# Allegro board S071AA-0413-20260427_Power3.brd (continued)
## Routing (per net, layer and track width the routed paths; a pad name or vN(x,y) marks a point on that pad's centre or on a via; arc(x,y) is an arc through that point) (continued)
GNDA_REG: length 18.7
  L11_DPS w0.076: v2(148.32,214.23) 147.87,214.68 147.87,222.61
  L11_DPS w0.203: 147.87,222.61 147.87,222.94 146.01,224.79 v1(146.01,230.92)
  BOTTOM w0.152: SH12.1 v1(146.01,230.92)
  vias: v1(92.98,288.29) v1(92.98,283.21) v1(93.76,279.15) v1(101.34,279.15) v1(102.12,288.29) v1(102.12,283.21) v1(106.38,285.83) v1(106.38,283.04) v1(112.45,271.67) v1(112.45,268.87) v1(122.94,258.74) v1(122.94,255.95) v1(136.51,248.16) v1(136.51,245.36) v1(177.02,218.6)
D231_MCB1_CT2: length 82.1
  L03_DIG w0.132: v2(29.05,298.96) 13.04,314.98 13.04,370.91 D231.17
D431_MCB1_A+: length 354.8
  L24_DIG w0.132: K7.5 50.8,210.8 50.8,206.27 K8.5 50.84,203.22 50.84,198.6 K9.5 50.83,195.59 50.83,191 ; 97.96,191.11 97.32,191.75 78.23,191.75 K2.5 74.57,190.88 ; 97.96,191.11 97.96,195.48 K11.5 97.91,198.78 97.91,203.05 K13.5 97.96,206.35 97.96,210.72 K15.5 ; 97.96,191.11 K1.5 ; 50.83,191 49.69,192.14 31.37,192.14 K16.5 27.21,190.99 27.21,195.6 K6.5 27.03,198.79 27.03,203.04 K5.5 27.08,206.36 27.08,210.71 K4.5 26.29,214.77 26.29,220.54 24.32,222.51 24.32,246.35 12.83,257.85 12.83,375.78 D431.16 ; 50.83,191 K3.5 54.6,191.75 73.7,191.75 74.57,190.88 ; 74.57,190.88 74.57,195.71 K10.5 74.31,198.75 74.31,203.08 K12.5 74.52,206.17 74.52,210.9 K14.5
D431_MCB1_A-: length 328.2
  L24_DIG w0.132: K30.5 50.57,241.06 50.57,236.97 K26.5 50.77,233.64 50.77,229.15 K22.5 50.62,225.87 50.62,221.68 ; 74.46,221.46 74.46,226.09 K23.5 74.41,229.13 74.41,233.66 K27.5 74.41,236.75 74.41,241.28 K31.5 ; 74.46,221.46 74.21,221.71 54.09,221.71 K18.5 50.62,221.68 ; 74.46,221.46 K19.5 77.84,221.84 97.71,221.84 98.16,221.39 ; D431.15 19.3,382.25 19.3,376.96 16.82,374.48 14.65,374.48 13.39,373.22 13.39,258.16 K29.5 27.06,241.16 27.06,236.86 K25.5 27.08,233.57 27.08,229.22 K21.5 26.88,225.75 26.88,221.8 K17.5 30.92,222.17 30.92,222.31 31.05,222.44 49.86,222.44 50.62,221.68 ; 98.16,221.39 K20.5 ; 98.16,221.39 98.16,226.16 K24.5 98,229.16 98,233.63 K28.5 98,236.78 98,241.25 K32.5
D431_MCB1_C+: length 380.2
  L24_DIG w0.132: K36.5 134.04,136.56 115.17,136.56 K35.5 110.07,141.66 110.07,158.83 K33.5 ; K33.5 114.84,160 118.87,160 K37.5 122.61,159.85 133.96,159.85 K34.5 137.88,159.82 141.55,159.82 K38.5 ; K33.5 110.64,164.2 110.64,254.21 107.34,257.52 66.12,257.52 61.47,262.17 61.47,375.78 57.53,379.72 29.49,379.72 D431.12
D431_MCB1_C-: length 387.1
  L24_DIG w0.132: 149.9,139.67 149.26,140.32 149.26,159.91 K42.5 149.86,163.08 129.57,163.08 K41.5 123.59,166.49 113.46,166.49 111.8,168.16 111.8,255.28 107.89,259.19 68.09,259.19 63.39,263.89 63.39,376.36 57.38,382.37 31.92,382.37 D431.11 ; 149.9,139.67 144.77,139.67 K40.5 142.21,139.75 134.6,139.75 134.41,139.94 129.54,139.94 K43.5 127.05,139.92 121.9,139.92 K39.5 ; 149.9,139.67 K44.5
D431_MCB1_CT1: length 94
  L03_DIG w0.132: D431.17 12.08,380.11 12.08,314.91 v2(29.05,297.94)
D11616: length 208.2
  L03_DIG w0.132: D116.16 160.24,386.03 160.24,328.78 130.42,298.96 v2(29.9,298.96)
  BOTTOM w0.152: TR2.2 v2(29.9,298.96)
GPDPS1_1F: length 9.8
  L16_DPS w0.203: 240.76,16.51 DPS1.B03 ; DPS1.B03 241.57,15.7 ; DPS1.B03 241.57,17.32 ; DPS1.B03 242.38,16.51 ; DPS1.A03 242.38,13.97 ; DPS1.A03 240.76,13.97 ; DPS1.A03 241.57,13.16 ; DPS1.A03 241.57,14.78 ; 240.76,19.05 DPS1.C03 ; DPS1.C03 241.57,18.24 ; DPS1.C03 242.38,19.05 ; DPS1.C03 241.57,19.86
  vias: v1(205.76,294.62)
GPDPS1_1GS: length 464.1
  L16_DPS w0.203: v1(194.58,294.32) 195.74,293.16 208.28,293.16 210.57,290.88 210.57,221.48 200.95,211.86 196.23,211.86 195.11,212.98 187.82,212.98 186.7,211.86 166.3,211.86 164.02,209.58 160.74,209.58 155.85,204.69 155.85,184.25 227.3,112.8 227.3,77.97 236.6,68.68 269.84,68.68 273.63,64.9 273.63,11.23 272.05,9.65 250.9,9.65 248.15,12.41 248.15,20.43 247.22,21.35 239.43,21.35 237.78,19.7 237.78,15.22 DPS1.A02
GPDPS1_1S: length 458.1
  L16_DPS w0.203: v1(197.12,294.32) 197.73,293.71 208.83,293.71 211.32,291.23 211.32,221.3 201.28,211.26 195.92,211.26 194.82,212.36 188.01,212.36 186.91,211.26 166.79,211.26 164.43,208.9 162.26,208.9 156.35,202.99 156.35,185.95 228.55,113.75 228.55,78.18 237.13,69.6 272.21,69.6 276.02,65.79 276.02,12.44 272.62,9.05 250.28,9.05 247.72,11.61 247.72,19.86 247.06,20.52 240.5,20.52 DPS1.C02
GPDPS1_2F: length 9.8
  L16_DPS w0.203: 251.73,15.7 DPS1.B07 ; DPS1.B07 252.54,16.51 ; DPS1.B07 250.92,16.51 ; DPS1.B07 251.73,17.32 ; DPS1.A07 252.54,13.97 ; DPS1.A07 251.73,14.78 ; DPS1.A07 250.92,13.97 ; DPS1.A07 251.73,13.16 ; 250.92,19.05 DPS1.C07 ; DPS1.C07 251.73,18.24 ; DPS1.C07 251.73,19.86 ; DPS1.C07 252.54,19.05
  vias: v1(172.23,294.62)
GPDPS1_2GS: length 689.7
  L16_DPS w0.203: v1(164.1,294.32) 164.1,298.04 161.72,300.42 38.56,300.42 33.37,295.23 33.37,288.34 11.16,266.13 11.16,180.6 11.83,179.93 11.83,38.77 13.78,36.82 257.51,36.82 258.13,36.2 258.13,34.15 260.78,31.49 260.78,12.65 259.26,11.13 250.76,11.13 249.19,12.7 DPS1.A06
GPDPS1_2S: length 695.9
  L16_DPS w0.203: v1(166.64,294.32) 166.64,296.81 162.46,300.99 38.22,300.99 32.73,295.51 32.73,290.19 10.35,267.81 10.35,38.08 14.23,34.2 257.2,34.2 260.36,31.04 260.36,13.06 259.03,11.73 251.15,11.73 250.41,12.47 250.41,17.83 DPS1.C06
GPDPS1_3F: length 9.8
  L16_DPS w0.203: DPS1.B13 266.97,17.32 ; DPS1.B13 266.97,15.7 ; DPS1.B13 266.16,16.51 ; DPS1.B13 267.78,16.51 ; 266.16,13.97 DPS1.A13 ; DPS1.A13 266.97,13.16 ; DPS1.A13 266.97,14.78 ; DPS1.A13 267.78,13.97 ; DPS1.C13 266.97,19.86 ; DPS1.C13 266.97,18.24 ; DPS1.C13 267.78,19.05 ; DPS1.C13 266.16,19.05
  vias: v1(48.28,294.62)
GPDPS1_3GS: length 535.8
  L16_DPS w0.203: v1(37.1,294.32) 38.01,293.41 38.01,290.09 12.45,264.53 12.45,50.04 20.76,41.72 259.88,41.72 260.6,41 260.6,32.5 263.26,29.85 263.26,15.14 DPS1.A12
GPDPS1_3S: length 532.3
  L16_DPS w0.203: DPS1.C12 264.43,30.28 263.14,31.57 263.14,41.15 261.99,42.3 21.25,42.3 13.16,50.38 13.16,262.71 40.82,290.37 40.82,293.13 v1(39.64,294.32)
GPDPS1_4F: length 9.8
  L11_DPS w0.203: DPS1.C17 277.13,19.86 ; DPS1.C17 276.32,19.05 ; DPS1.C17 277.13,18.24 ; DPS1.C17 277.94,19.05 ; 277.13,13.16 DPS1.A17 ; DPS1.A17 276.32,13.97 ; DPS1.A17 277.94,13.97 ; DPS1.A17 277.13,14.78 ; DPS1.B17 277.13,17.32 ; DPS1.B17 277.13,15.7 ; DPS1.B17 277.94,16.51 ; DPS1.B17 276.32,16.51
  vias: v1(149.88,294.62)
GPDPS1_4GS: length 413.6
  L11_DPS w0.203: DPS1.A16 273.35,15.21 273.35,19.42 268.27,24.5 268.27,102.75 270.15,104.63 270.15,291.51 268.44,293.22 141.44,293.22 140.34,294.32 v1(138.7,294.32)
GPDPS1_4S: length 405
  L11_DPS w0.203: DPS1.C16 270.76,22.88 270.76,291.91 268.97,293.71 141.85,293.71 v1(141.24,294.32)
GPDPS1_TRVB-: length 5.2
  TOP w0.152: DPS1.B09 258.04,15.28 258.04,13.12 SB1.2
GPDPS2_1F: length 9.8
  L11_DPS w0.203: 197.58,410.21 DPS2.C03 ; DPS2.C03 198.39,411.02 ; DPS2.C03 198.39,409.4 ; DPS2.C03 199.2,410.21 ; 197.58,415.29 DPS2.A03 ; DPS2.A03 199.2,415.29 ; DPS2.A03 198.39,416.1 ; DPS2.A03 198.39,414.48 ; 198.39,411.94 DPS2.B03 ; DPS2.B03 197.58,412.75 ; DPS2.B03 198.39,413.56 ; DPS2.B03 199.2,412.75
  vias: v1(127.02,294.62)
GPDPS2_1GS: length 214.3
  L11_DPS w0.203: DPS2.A02 200.93,416.25 199.3,417.89 193.21,417.89 191.79,416.47 191.79,409.21 187.98,405.4 111.16,405.4 110.58,404.82 110.58,315.46 115.84,310.2 v1(115.84,294.32)
GPDPS2_1S: length 218.6
  L11_DPS w0.203: v1(118.38,294.32) 118.38,308.51 111.01,315.88 111.01,404.23 111.63,404.85 188.36,404.85 192.27,408.76 192.27,416.07 193.49,417.29 199.05,417.29 199.83,416.51 199.83,411.31 DPS2.C02
GPDPS2_2F: length 9.8
  L11_DPS w0.203: DPS2.A07 188.23,416.1 ; DPS2.A07 188.23,414.48 ; DPS2.A07 189.04,415.29 ; DPS2.A07 187.42,415.29 ; DPS2.C07 189.04,410.21 ; DPS2.C07 188.23,409.4 ; DPS2.C07 188.23,411.02 ; DPS2.C07 187.42,410.21 ; DPS2.B07 189.04,412.75 ; DPS2.B07 187.42,412.75 ; DPS2.B07 188.23,413.56 ; DPS2.B07 188.23,411.94
  vias: v1(99.08,294.62)
GPDPS2_2GS: length 229.2
  L11_DPS w0.203: DPS2.A06 190.77,417.4 187.98,420.2 92.67,420.2 87.9,415.42 v1(87.9,294.32)
GPDPS2_2S: length 229.1
  L11_DPS w0.203: DPS2.C06 189.63,411.35 189.63,416.76 187.87,418.52 93.87,418.52 90.44,415.08 v1(90.44,294.32)
GPDPS2_3F: length 9.8
  L16_DPS w0.203: 172.99,409.4 DPS2.C13 ; DPS2.C13 172.18,410.21 ; DPS2.C13 172.99,411.02 ; DPS2.C13 173.8,410.21 ; DPS2.A13 173.8,415.29 ; DPS2.A13 172.18,415.29 ; DPS2.A13 172.99,414.48 ; DPS2.A13 172.99,416.1 ; 172.99,411.94 DPS2.B13 ; DPS2.B13 173.8,412.75 ; DPS2.B13 172.18,412.75 ; DPS2.B13 172.99,413.56
  vias: v1(235.73,294.62)
GPDPS2_3GS: length 184
  L16_DPS w0.203: DPS2.A12 175.53,416.75 173.27,419.01 166.73,419.01 164.1,416.38 164.1,390.58 164.8,389.87 166.09,389.87 168.65,387.32 202.77,387.32 211.64,378.45 211.64,313.76 227.6,297.8 v1(227.6,294.32)
GPDPS2_3S: length 185.9
  L16_DPS w0.203: v1(230.14,294.32) 230.14,296.97 212.59,314.52 212.59,379.24 202.01,389.82 166.96,389.82 166.32,390.46 166.32,416.92 167.49,418.1 173.39,418.1 174.41,417.08 174.41,411.33 DPS2.C12
GPDPS2_4F: length 5.1
  L09_DPS w0.203: DPS2.A17 DPS2.B17 DPS2.C17
GPDPS2_TRVB-: length 5.2
  TOP w0.152: SB13.2 181.88,416.26 181.88,414.02 DPS2.B09
GPDPS3_1F: length 5.1
  L09_DPS w0.203: DPS3.A03 DPS3.B03 DPS3.C03
GPDPS3_2F: length 5.1
  L09_DPS w0.203: DPS3.A07 DPS3.B07 DPS3.C07
GPDPS3_3F: length 5.1
  L09_DPS w0.203: DPS3.A13 DPS3.B13 DPS3.C13
GPDPS3_4F: length 5.1
  L09_DPS w0.203: DPS3.C17 DPS3.B17 DPS3.A17
GPDPS3_TRVB-: length 5.6
  TOP w0.152: DPS3.B09 110.73,15.27 110.73,12.74 SB14.2
GPDPS8_1F: length 5.1
  L09_DPS w0.203: DPS8.A03 DPS8.B03 DPS8.C03
GPDPS8_2F: length 5.1
  L09_DPS w0.203: DPS8.C07 DPS8.B07 DPS8.A07
GPDPS8_3F: length 5.1
  L09_DPS w0.203: DPS8.C13 DPS8.B13 DPS8.A13
GPDPS8_4F: length 5.1
  L09_DPS w0.203: DPS8.A17 DPS8.B17 DPS8.C17
GPDPS8_TRVB-: length 5
  TOP w0.152: SB15.2 34.58,416.14 34.58,413.99 DPS8.B09
S1_ADC1_VIN[0]: length 36
  L20_DIG w0.076: v2(141.92,207.03) 141.57,206.68
  L20_DIG w0.132: 141.57,206.68 141.34,206.45 127.22,206.45 119.9,199.14 119.9,192.02 K1.8
S1_ADC1_VIN[1]: length 58.9
  L20_DIG w0.076: 138.29,207.43 141.52,207.43 v2(141.92,207.83)
  L20_DIG w0.132: 138.29,207.43 126.01,207.43 118.53,199.95 98.85,199.95 96.69,197.79 96.69,192.43 K2.8
S1_ADC1_VIN[2]: length 86.9
  L20_DIG w0.076: 138.29,208.23 141.52,208.23 v2(141.92,208.63)
  L20_DIG w0.132: 138.29,208.23 124.58,208.23 122.95,206.6 74.92,206.6 73.02,204.7 73.02,192.38 K3.8
S1_ADC1_VIN[3]: length 96.5
  L18_DIG w0.076: v2(141.12,208.63) 140.72,208.23 138.29,208.23
  L18_DIG w0.132: 138.29,208.23 50.61,208.23 K4.8
S1_ADC1_VIN[4]: length 95.9
  L18_DIG w0.076: v2(141.12,207.83) 140.72,207.43 138.29,207.43
  L18_DIG w0.132: K5.8 49.2,207.43 138.29,207.43
S1_ADC1_VIN[5]: length 98.7
  L18_DIG w0.076: 140.77,206.68 v2(141.12,207.03)
  L18_DIG w0.132: 140.77,206.68 140.6,206.51 125.91,206.51 119.07,199.67 49.06,199.67 K6.8
S1_ADC1_VIN[6]: length 72.1
  L07_DIG w0.076: 138.29,208.23 139.92,208.23 v2(140.32,208.63)
  L07_DIG w0.132: K7.8 74.23,208.23 138.29,208.23
S1_ADC1_VIN[7]: length 71.5
  L07_DIG w0.076: v2(140.32,207.83) 139.92,207.43 138.29,207.43
  L07_DIG w0.132: K8.8 72.83,207.43 138.29,207.43
S1_ADC1_VIN[8]: length 74.3
  L07_DIG w0.076: v2(140.32,207.03) 139.97,206.68
  L07_DIG w0.132: 139.97,206.68 139.82,206.53 125.52,206.53 118.96,199.97 72.99,199.97 K9.8
S1_ADC1_VIN[9]: length 49.9
  L05_DIG w0.076: 139.17,206.68 v2(139.52,207.03)
  L05_DIG w0.132: K10.8 96.54,199.9 119.09,199.9 125.64,206.45 138.94,206.45 139.17,206.68
S1_ADC1_VIN[10]: length 25.5
  L03_DIG w0.132: K11.8 127.29,207.03 v2(138.72,207.03)
S1_ADC1_VIN[11]: length 47.1
  L05_DIG w0.076: 138.29,207.43 139.12,207.43 v2(139.52,207.83)
  L05_DIG w0.132: K12.8 96.45,207.43 138.29,207.43
S1_ADC1_VIN[12]: length 22.6
  L03_DIG w0.132: K13.8 120.47,207.83 v2(138.72,207.83)
S1_ADC1_VIN[13]: length 47.6
  L05_DIG w0.076: v2(139.52,208.63) 139.12,208.23 138.29,208.23
  L05_DIG w0.132: K14.8 97.86,208.23 138.29,208.23
S1_ADC1_VIN[14]: length 22.9
  L03_DIG w0.132: K15.8 121.08,208.63 v2(138.72,208.63)
S1_ADC1_VIN[15]: length 111.2
  L20_DIG w0.076: v2(141.92,209.43) 141.52,209.03 138.29,209.03
  L20_DIG w0.132: 138.29,209.03 123.4,209.03 122.32,207.95 52.19,207.95 49.6,205.36 49.6,192.58 K16.8
S1_ADC1_VIN[16]: length 99.3
  L18_DIG w0.076: 138.29,209.03 140.72,209.03 v2(141.12,209.43)
  L18_DIG w0.132: 138.29,209.03 124.59,209.03 119.12,214.5 51.96,214.5 K17.8
S1_ADC1_VIN[17]: length 74.9
  L07_DIG w0.076: 138.29,209.03 139.92,209.03 v2(140.32,209.43)
  L07_DIG w0.132: K18.8 75.66,214.43 119.22,214.43 124.61,209.03 138.29,209.03
S1_ADC1_VIN[18]: length 50.5
  L05_DIG w0.076: v2(139.52,209.43) 139.12,209.03 138.29,209.03
  L05_DIG w0.132: K19.8 99.1,214.6 120.01,214.6 125.58,209.03 138.29,209.03
S1_ADC1_VIN[19]: length 25.7
  L03_DIG w0.132: K20.8 127.9,209.43 v2(138.72,209.43)
S1_ADC1_VIN[20]: length 102.1
  L18_DIG w0.076: 138.29,209.83 140.72,209.83 v2(141.12,210.23)
  L18_DIG w0.132: K21.8 51.58,222.5 107.51,222.5 114.29,215.72 120.41,215.72 126.3,209.83 138.29,209.83
S1_ADC1_VIN[21]: length 77.7
  L07_DIG w0.076: v2(140.32,210.23) 139.92,209.83 138.29,209.83
  L07_DIG w0.132: 138.29,209.83 126,209.83 120.03,215.8 110.86,215.8 104.66,222 75.71,222 K22.8
S1_ADC1_VIN[22]: length 55.2
  L05_DIG w0.076: 138.29,209.83 139.12,209.83 v2(139.52,210.23)
  L05_DIG w0.132: 138.29,209.83 126.91,209.83 118.84,217.91 118.84,221.16 117.47,222.53 98.8,222.53 K23.8
S1_ADC1_VIN[23]: length 32
  L03_DIG w0.132: K24.8 119.04,225.91 119.04,220.09 128.9,210.23 v2(138.72,210.23)
S1_ADC1_VIN[24]: length 110.3
  L18_DIG w0.076: v2(141.12,211.03) 140.72,210.63 138.29,210.63
  L18_DIG w0.132: 138.29,210.63 128.04,210.63 119.42,219.25 119.42,228.42 117.62,230.23 51.48,230.23 K25.8
S1_ADC1_VIN[25]: length 86.2
  L07_DIG w0.076: v2(140.32,211.03) 139.92,210.63 138.29,210.63
  L07_DIG w0.132: K26.8 75.33,230 117.74,230 119.37,228.37 119.37,218.74 127.49,210.63 138.29,210.63
S1_ADC1_VIN[26]: length 61.6
  L05_DIG w0.076: 138.29,210.63 139.12,210.63 v2(139.52,211.03)
  L05_DIG w0.132: 138.29,210.63 128.12,210.63 119.57,219.18 119.57,228.52 118.02,230.07 98.87,230.07 K27.8
S1_ADC1_VIN[27]: length 38.5
  L03_DIG w0.132: K28.8 119.85,232.71 119.85,220.5 129.32,211.03 v2(138.72,211.03)
S1_ADC1_VIN[28]: length 116.5
  L18_DIG w0.076: v2(141.12,211.83) 140.72,211.43 138.29,211.43
  L18_DIG w0.132: 138.29,211.43 129.45,211.43 120.56,220.32 120.56,235.15 117.85,237.87 51.45,237.87 K29.8
S1_ADC1_VIN[29]: length 92.5
  L07_DIG w0.076: v2(140.32,211.83) 139.92,211.43 138.29,211.43
  L07_DIG w0.132: 138.29,211.43 129.07,211.43 120.59,219.91 120.59,235.51 118.3,237.79 75.15,237.79 K30.8
S1_ADC1_VIN[30]: length 68.1
  L05_DIG w0.076: 138.29,211.43 139.12,211.43 v2(139.52,211.83)
  L05_DIG w0.132: 138.29,211.43 129.71,211.43 120.54,220.6 120.54,236.27 119.27,237.54 99.02,237.54 K31.8
S1_ADC1_VIN[31]: length 45.2
  L03_DIG w0.132: K32.8 120.64,239.55 120.64,220.7 129.51,211.83 v2(138.72,211.83)
S1_ADC2_VIN[0]: length 43.1
  L03_DIG w0.132: v2(143.52,207.03) 143.52,204.9 122.14,183.52 116.99,183.52 K33.8
S1_ADC2_VIN[1]: length 31.7
  L05_DIG w0.076: v2(143.52,207.83) 143.92,207.43 143.92,206.68
  L05_DIG w0.132: K34.8 143.92,187.59 143.92,206.68
S1_ADC2_VIN[2]: length 65.1
  L07_DIG w0.076: 143.92,206.68 143.92,208.23 v2(143.52,208.63)
  L07_DIG w0.132: K35.8 118.23,161.65 118.23,179.53 143.92,205.22 143.92,206.68
S1_ADC2_VIN[3]: length 56.7
  L18_DIG w0.076: v2(143.52,209.43) 143.92,209.03 143.92,206.68
  L18_DIG w0.132: 143.92,206.68 143.92,185.89 140.87,182.84 140.87,161.18 K36.8
S1_ADC2_VIN[4]: length 37.2
  L03_DIG w0.132: K37.8 144.32,203.23 v2(144.32,207.03)
S1_ADC2_VIN[5]: length 28.9
  L05_DIG w0.076: 144.72,206.68 144.72,207.43 v2(144.32,207.83)
  L05_DIG w0.132: K38.8 144.72,180.77 144.72,206.68
S1_ADC2_VIN[6]: length 62.3
  L07_DIG w0.076: v2(144.32,208.63) 144.72,208.23 144.72,206.68
  L07_DIG w0.132: 144.72,206.68 144.72,201.5 125.7,182.48 125.7,161.5 K39.8
S1_ADC2_VIN[7]: length 56.7
  L18_DIG w0.076: 144.72,206.68 144.72,209.03 v2(144.32,209.43)
  L18_DIG w0.132: K40.8 148.08,160.76 148.08,183.18 144.72,186.54 144.72,206.68
S1_ADC2_VIN[8]: length 34.4
  L03_DIG w0.132: K41.8 145.12,196.41 v2(145.12,207.03)
S1_ADC2_VIN[9]: length 30.7
  L05_DIG w0.076: 145.52,206.68 145.52,207.43 v2(145.12,207.83)
  L05_DIG w0.132: K42.8 145.52,185.2 145.52,206.68
S1_ADC2_VIN[10]: length 59.5
  L07_DIG w0.076: v2(145.12,208.63) 145.52,208.23 145.52,206.68
  L07_DIG w0.132: 145.52,206.68 145.52,192.97 133.35,180.8 133.35,161.52 K43.8
S1_ADC2_VIN[11]: length 55.7
  L18_DIG w0.076: v2(145.12,209.43) 145.52,209.03 145.52,206.68
  L18_DIG w0.132: 145.52,206.68 145.52,186.97 149.13,183.36 149.13,158.23 K44.8
S1_CBIT001: length 380.3
  TOP w0.305: K1.1 114.82,184.4 LD1.2
  L13_CBIT w0.305: 259.35,411.48 258.18,410.31 258.18,289.76 256.98,288.57 256.98,276.04 242.42,261.47 110.44,261.47 104.01,255.04 104.01,197.06 114.12,186.94 K1.1
S1_CBIT002: length 207
  TOP w0.305: K2.1 91.2,184.4 LD2.2
  L13_CBIT w0.305: K2.1 93.74,155.57 159.5,89.81 159.5,18.57 162.83,15.24
S1_CBIT003: length 225.6
  TOP w0.305: K3.1 67.58,184.4 LD3.2
  L13_CBIT w0.305: K3.1 70.12,176.91 158.09,88.94 158.09,16.42 161.3,13.2 165.87,13.2 167.91,15.24
S1_CBIT004: length 254.6
  TOP w0.305: LD4.2 43.96,207.26 K4.1
  L13_CBIT w0.305: K4.1 43.84,209.8 40.65,212.99 40.65,295.84 66.84,322.03 93.13,322.03 98.07,326.98 98.07,412.76 99.33,414.02
S1_CBIT005: length 261.5
  TOP w0.305: K5.1 43.96,199.64 LD5.2
  L13_CBIT w0.305: 96.79,411.48 95.56,410.25 95.56,327.47 92.3,324.21 63.57,324.21 38.88,299.52 38.88,207.16 43.85,202.18 K5.1
S1_CBIT006: length 285.8
  TOP w0.305: LD6.2 43.96,192.02 K6.1
  L13_CBIT w0.305: K6.1 44.05,194.56 36.28,202.34 36.28,301.35 86.74,351.81 86.74,414.26 89.67,417.19 113.94,417.19 117.11,414.02
S1_CBIT007: length 246
  TOP w0.305: LD7.2 67.58,207.26 K7.1
  L13_CBIT w0.305: 117.11,411.48 115.92,410.29 115.92,324.63 94.74,303.45 75.53,303.45 63.59,291.52 63.59,213.67 67.46,209.8 K7.1
S1_CBIT008: length 259.7
  TOP w0.305: LD8.2 67.58,199.64 K8.1
  L13_CBIT w0.305: 114.57,414.02 113.15,412.6 113.15,324.62 94.5,305.97 74.11,305.97 58.91,290.77 58.91,210.75 67.47,202.18 K8.1
S1_CBIT009: length 265.2
  TOP w0.305: LD9.2 67.58,192.02 K9.1
  L13_CBIT w0.305: 112.03,411.48 110.77,410.23 110.77,325.22 94.25,308.69 73.22,308.69 57.39,292.86 57.39,204.85 67.67,194.56 K9.1
S1_CBIT010: length 252.8
  TOP w0.305: LD10.2 91.2,192.02 K10.1
  L13_CBIT w0.305: K10.1 91.3,194.56 81.28,204.58 81.28,272.6 128.61,319.93 128.61,412.82 129.81,414.02
S1_CBIT011: length 373.6
  TOP w0.305: LD11.2 114.82,192.02 K11.1
  L13_CBIT w0.305: 261.89,414.02 260.66,412.8 260.66,275.48 243.22,258.04 112.22,258.04 106.01,251.83 106.01,203.47 114.92,194.56 K11.1
S1_CBIT012: length 362.5
  TOP w0.305: K12.1 91.2,199.64 LD12.2
  L13_CBIT w0.305: K12.1 91.09,202.18 83.95,209.33 83.95,265.26 95.08,276.4 222.52,276.4 234.03,287.91 234.03,296.41 242.83,305.2 242.83,410.2 244.11,411.48
S1_CBIT013: length 362.9
  TOP w0.305: LD13.2 114.82,199.64 K13.1
  L13_CBIT w0.305: 264.43,411.48 263.18,410.23 263.18,292.36 262.04,291.22 262.04,271.35 244.78,254.08 114.02,254.08 107.81,247.88 107.81,209.09 114.72,202.18 K13.1
S1_CBIT014: length 355.5
  TOP w0.305: LD14.2 91.2,207.26 K14.1
  L13_CBIT w0.305: K14.1 91.08,209.8 87.62,213.26 87.62,264.38 97.39,274.14 224.92,274.14 237.09,286.31 237.09,296.36 245.38,304.65 245.38,412.75 246.65,414.02
S1_CBIT015: length 357.1
  TOP w0.305: K15.1 114.82,207.26 LD15.2
  L13_CBIT w0.305: 266.97,411.48 265.8,410.31 265.8,292.53 266.85,291.47 266.85,269.97 249.06,252.18 115.75,252.18 109.78,246.21 109.78,214.73 114.7,209.8 K15.1
S1_CBIT016: length 307.6
  TOP w0.305: LD16.2 43.96,184.4 K16.1
  L13_CBIT w0.305: 124.73,414.02 119.28,419.47 88.18,419.47 84.3,415.59 84.3,353.7 33.74,303.14 33.74,196.7 43.5,186.94 K16.1
S1_CBIT017: length 243.5
  TOP w0.305: K17.1 43.96,214.88 LD17.2
  L13_CBIT w0.305: K17.1 44.36,217.42 42.24,219.55 42.24,280.4 43.59,281.75 43.59,295.41 67.83,319.65 93.47,319.65 100.61,326.79 100.61,410.22 101.87,411.48
S1_CBIT018: length 236.1
  TOP w0.305: LD18.2 67.58,214.88 K18.1
  L13_CBIT w0.305: K18.1 67.98,217.42 66.13,219.27 66.13,289.12 78.04,301.02 95.62,301.02 118.15,323.55 118.15,409.98 119.65,411.48
S1_CBIT019: length 349.7
  TOP w0.305: K19.1 91.2,214.88 LD19.2
  L13_CBIT w0.305: 249.19,411.48 247.94,410.23 247.94,304.67 245.56,302.29 245.56,281.32 238.2,273.96 234.81,273.96 233.19,272.34 100.39,272.34 89.48,261.43 89.48,219.55 91.61,217.42 K19.1
S1_CBIT020: length 352.3
  TOP w0.305: LD20.2 114.82,214.88 K20.1
  L13_CBIT w0.305: 269.51,414.02 268.3,412.81 268.3,282.41 269.31,281.4 269.31,268.32 249.63,248.64 141.06,248.64 140.59,249.11 135.93,249.11 135.46,248.64 115.37,248.64 111.43,244.7 111.43,221.23 115.23,217.42 K20.1
S1_CBIT021: length 234.8
  TOP w0.305: LD21.2 43.96,222.5 K21.1
  L13_CBIT w0.305: 109.49,414.02 108.19,412.72 108.19,325.55 94.13,311.49 71.77,311.49 52.53,292.25 52.53,278.81 50.7,276.98 50.7,229.25 K21.1
S1_CBIT022: length 216.8
  TOP w0.305: K22.1 67.58,222.5 LD22.2
  L13_CBIT w0.305: K22.1 74.32,229.25 74.32,268.3 125.8,319.78 125.8,410.01 127.27,411.48
S1_CBIT023: length 341
  TOP w0.305: K23.1 91.2,222.5 LD23.2
  L13_CBIT w0.305: 256.81,414.02 255.53,412.74 255.53,280.07 239.07,263.61 146.08,263.61 145.06,262.59 140.88,262.59 139.87,263.61 107.74,263.61 97.94,253.81 97.94,229.25 K23.1
S1_CBIT024: length 342
  TOP w0.305: LD24.2 114.82,222.5 K24.1
  L13_CBIT w0.305: K24.1 114.97,225.04 113.14,226.88 113.14,243.58 116.31,246.75 252.82,246.75 270.91,264.83 270.91,410.34 272.05,411.48
S1_CBIT025: length 224.5
  TOP w0.305: LD25.2 43.96,230.12 K25.1
  L13_CBIT w0.305: 106.95,411.48 105.53,410.06 105.53,325.7 93.97,314.13 70.16,314.13 49.18,293.14 49.18,235.34 K25.1
S1_CBIT026: length 208.1
  TOP w0.305: K26.1 67.58,230.12 LD26.2
  L13_CBIT w0.305: 124.73,411.48 123.35,410.1 123.35,321.01 72.8,270.46 72.8,235.34 K26.1
S1_CBIT027: length 331
  TOP w0.305: LD27.2 91.2,230.12 K27.1
  L13_CBIT w0.305: 254.27,411.48 252.97,410.18 252.97,294.22 251.77,293.03 251.77,280.4 237.98,266.62 147.36,266.62 145.97,268 140.83,268 139.45,266.62 105.1,266.62 96.59,258.11 96.59,235.52 K27.1
S1_CBIT028: length 335.9
  TOP w0.305: K28.1 114.82,230.12 LD28.2
  L13_CBIT w0.305: K28.1 120.36,235.66 120.36,239.14 123.42,242.2 258.3,242.2 279.1,263.01 279.1,290.85 275.9,294.06 275.9,412.79 277.13,414.02
S1_CBIT029: length 219.8
  TOP w0.305: LD29.2 43.96,237.74 K29.1
  L13_CBIT w0.305: K29.1 48.04,241.82 48.04,276.66 46.64,278.05 46.64,294.29 69.4,317.04 93.74,317.04 103,326.3 103,412.61 104.41,414.02
S1_CBIT030: length 212.2
  TOP w0.305: LD30.2 67.58,237.74 K30.1
  L13_CBIT w0.305: K30.1 71.66,241.82 71.66,290.52 80.13,298.99 97.53,298.99 120.81,322.27 120.81,412.64 122.19,414.02
S1_CBIT031: length 326.1
  TOP w0.305: K31.1 91.2,237.74 LD31.2
  L13_CBIT w0.305: 251.73,414.02 250.44,412.73 250.44,285.88 246.91,282.36 246.91,279.8 236.39,269.28 117.23,269.28 115.64,267.69 110.84,267.69 109.24,269.28 102.96,269.28 94.57,260.89 94.57,251.73 95.52,250.77 95.52,242.06 K31.1
S1_CBIT032: length 322.9
  TOP w0.305: K32.1 114.82,237.74 LD32.2
  L13_CBIT w0.305: 274.59,411.48 273.31,410.2 273.31,292.28 274.67,290.92 274.67,263.13 255.84,244.3 121.38,244.3 K32.1
S1_CBIT033: length 201.9
  TOP w0.305: K33.1 118.13,177.04 LD33.2
  L13_CBIT w0.305: K33.1 118.97,176.19 118.97,137.96 136.69,120.23 156.87,120.23 166.71,110.39 166.71,18.98 167.91,17.78
S1_CBIT034: length 196.7
  TOP w0.305: LD34.2 140.99,177.04 K34.1
  L13_CBIT w0.305: K34.1 141.98,176.04 141.98,137.51 146.02,133.47 162.57,133.47 181.9,114.13 181.9,19.07 180.61,17.78
S1_CBIT035: length 177
  TOP w0.305: K35.1 118.13,153.92 LD35.2
  L13_CBIT w0.305: K35.1 117.39,154.66 117.39,137.32 136.38,118.33 155.16,118.33 164.19,109.3 164.19,18.96 165.37,17.78
S1_CBIT036: length 174.6
  TOP w0.305: LD36.2 140.99,153.67 K36.1
  L13_CBIT w0.305: K36.1 140.14,154.51 140.14,137 145.67,131.47 161.97,131.47 179.33,114.11 179.33,16.5 178.07,15.24
S1_CBIT037: length 200.7
  TOP w0.305: LD37.2 125.75,177.04 K37.1
  L13_CBIT w0.305: 172.99,17.78 171.72,19.05 171.72,112.49 159.95,124.26 140.02,124.26 126.67,137.61 126.67,176.11 K37.1
S1_CBIT038: length 189.6
  TOP w0.305: K38.1 148.61,177.04 LD38.2
  L13_CBIT w0.305: K38.1 146.07,178.36 181.25,143.17 181.25,133.56 189.59,125.23 189.59,16.6 188.23,15.24
S1_CBIT039: length 178.5
  TOP w0.305: K39.1 125.75,153.92 LD39.2
  L13_CBIT w0.305: K39.1 124.93,154.74 124.93,136.81 139.39,122.36 158.18,122.36 169.19,111.35 169.19,16.5 170.45,15.24
S1_CBIT040: length 164.1
  TOP w0.305: LD40.2 148.61,153.67 K40.1
  L13_CBIT w0.305: K40.1 184.44,117.84 184.44,16.53 183.15,15.24
S1_CBIT041: length 201.3
  TOP w0.305: LD41.2 133.37,177.04 K41.1
  L13_CBIT w0.305: 175.53,15.24 176.82,16.53 176.82,113.29 161.34,128.77 142.99,128.77 134.31,137.45 134.31,176.09 K41.1
S1_CBIT042: length 184.9
  TOP w0.305: LD42.2 156.23,177.04 K42.1
  L13_CBIT w0.305: 190.77,17.78 192.06,19.07 192.06,126.94 186.77,132.23 186.77,143.51 153.69,176.59 K42.1
S1_CBIT043: length 174.1